# Altium PCB MB1272C_PMIC.PcbDoc (part 1 of 10) (continued)
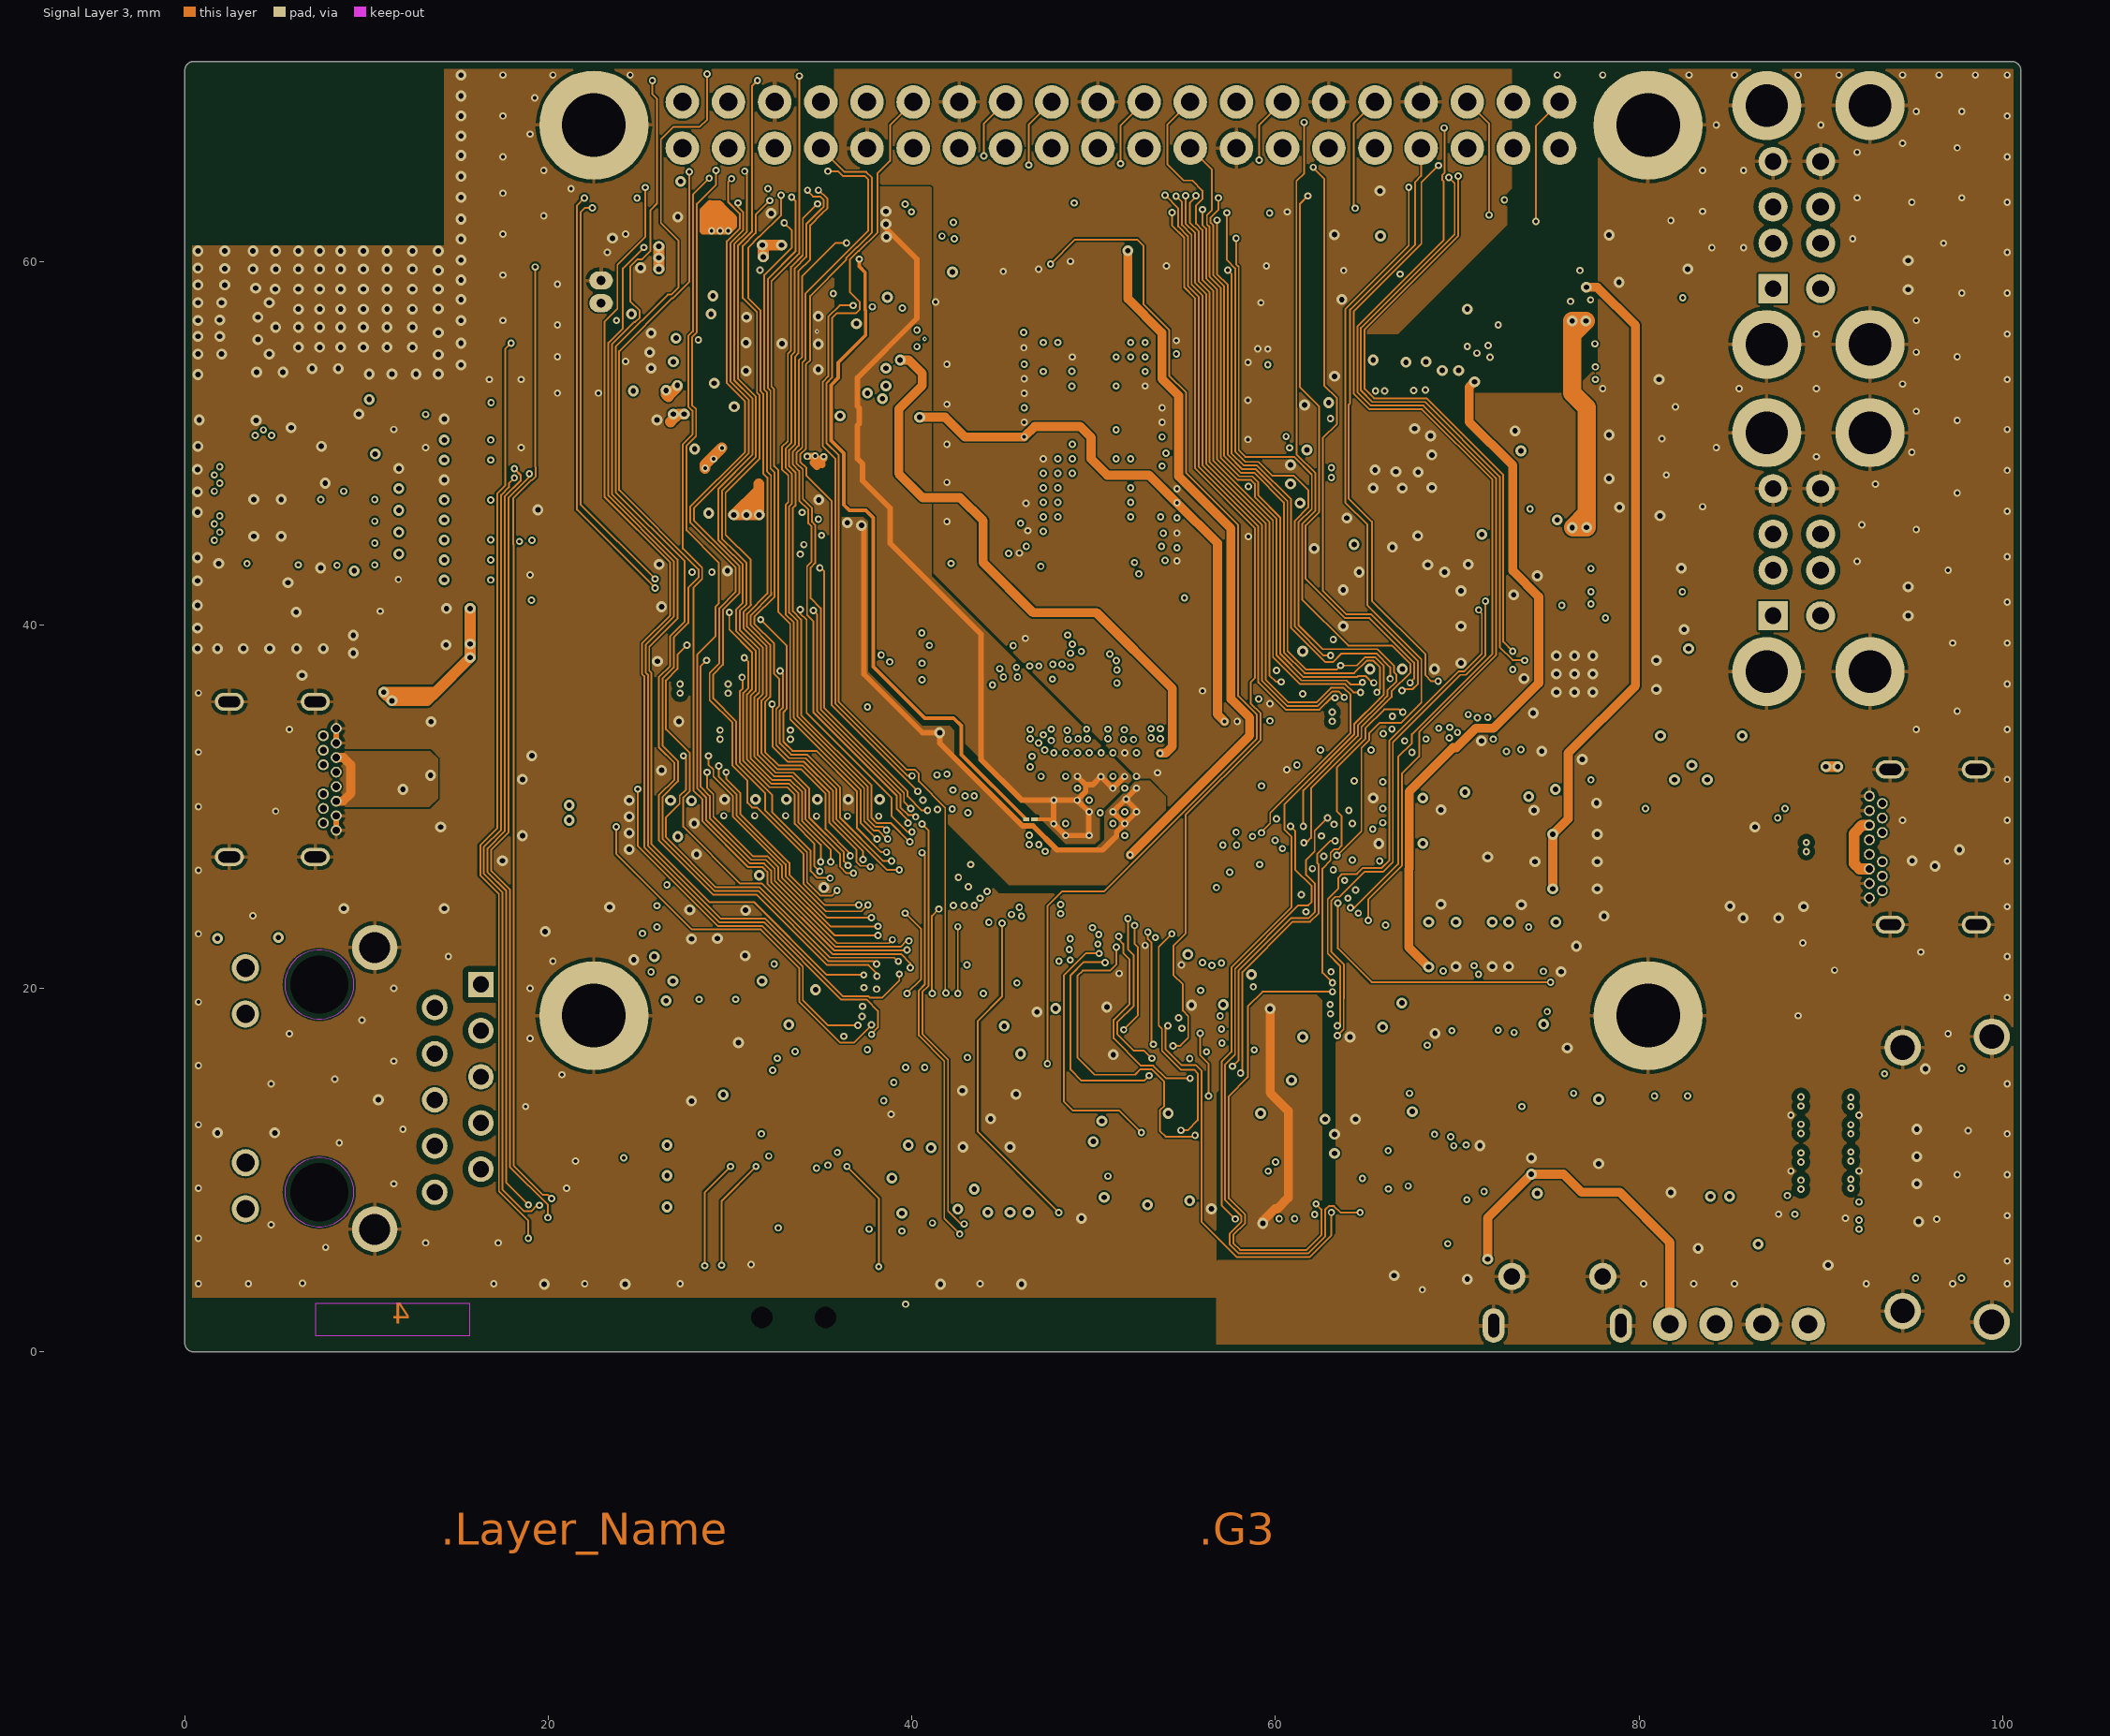
[diagram p4: Signal Layer 3]
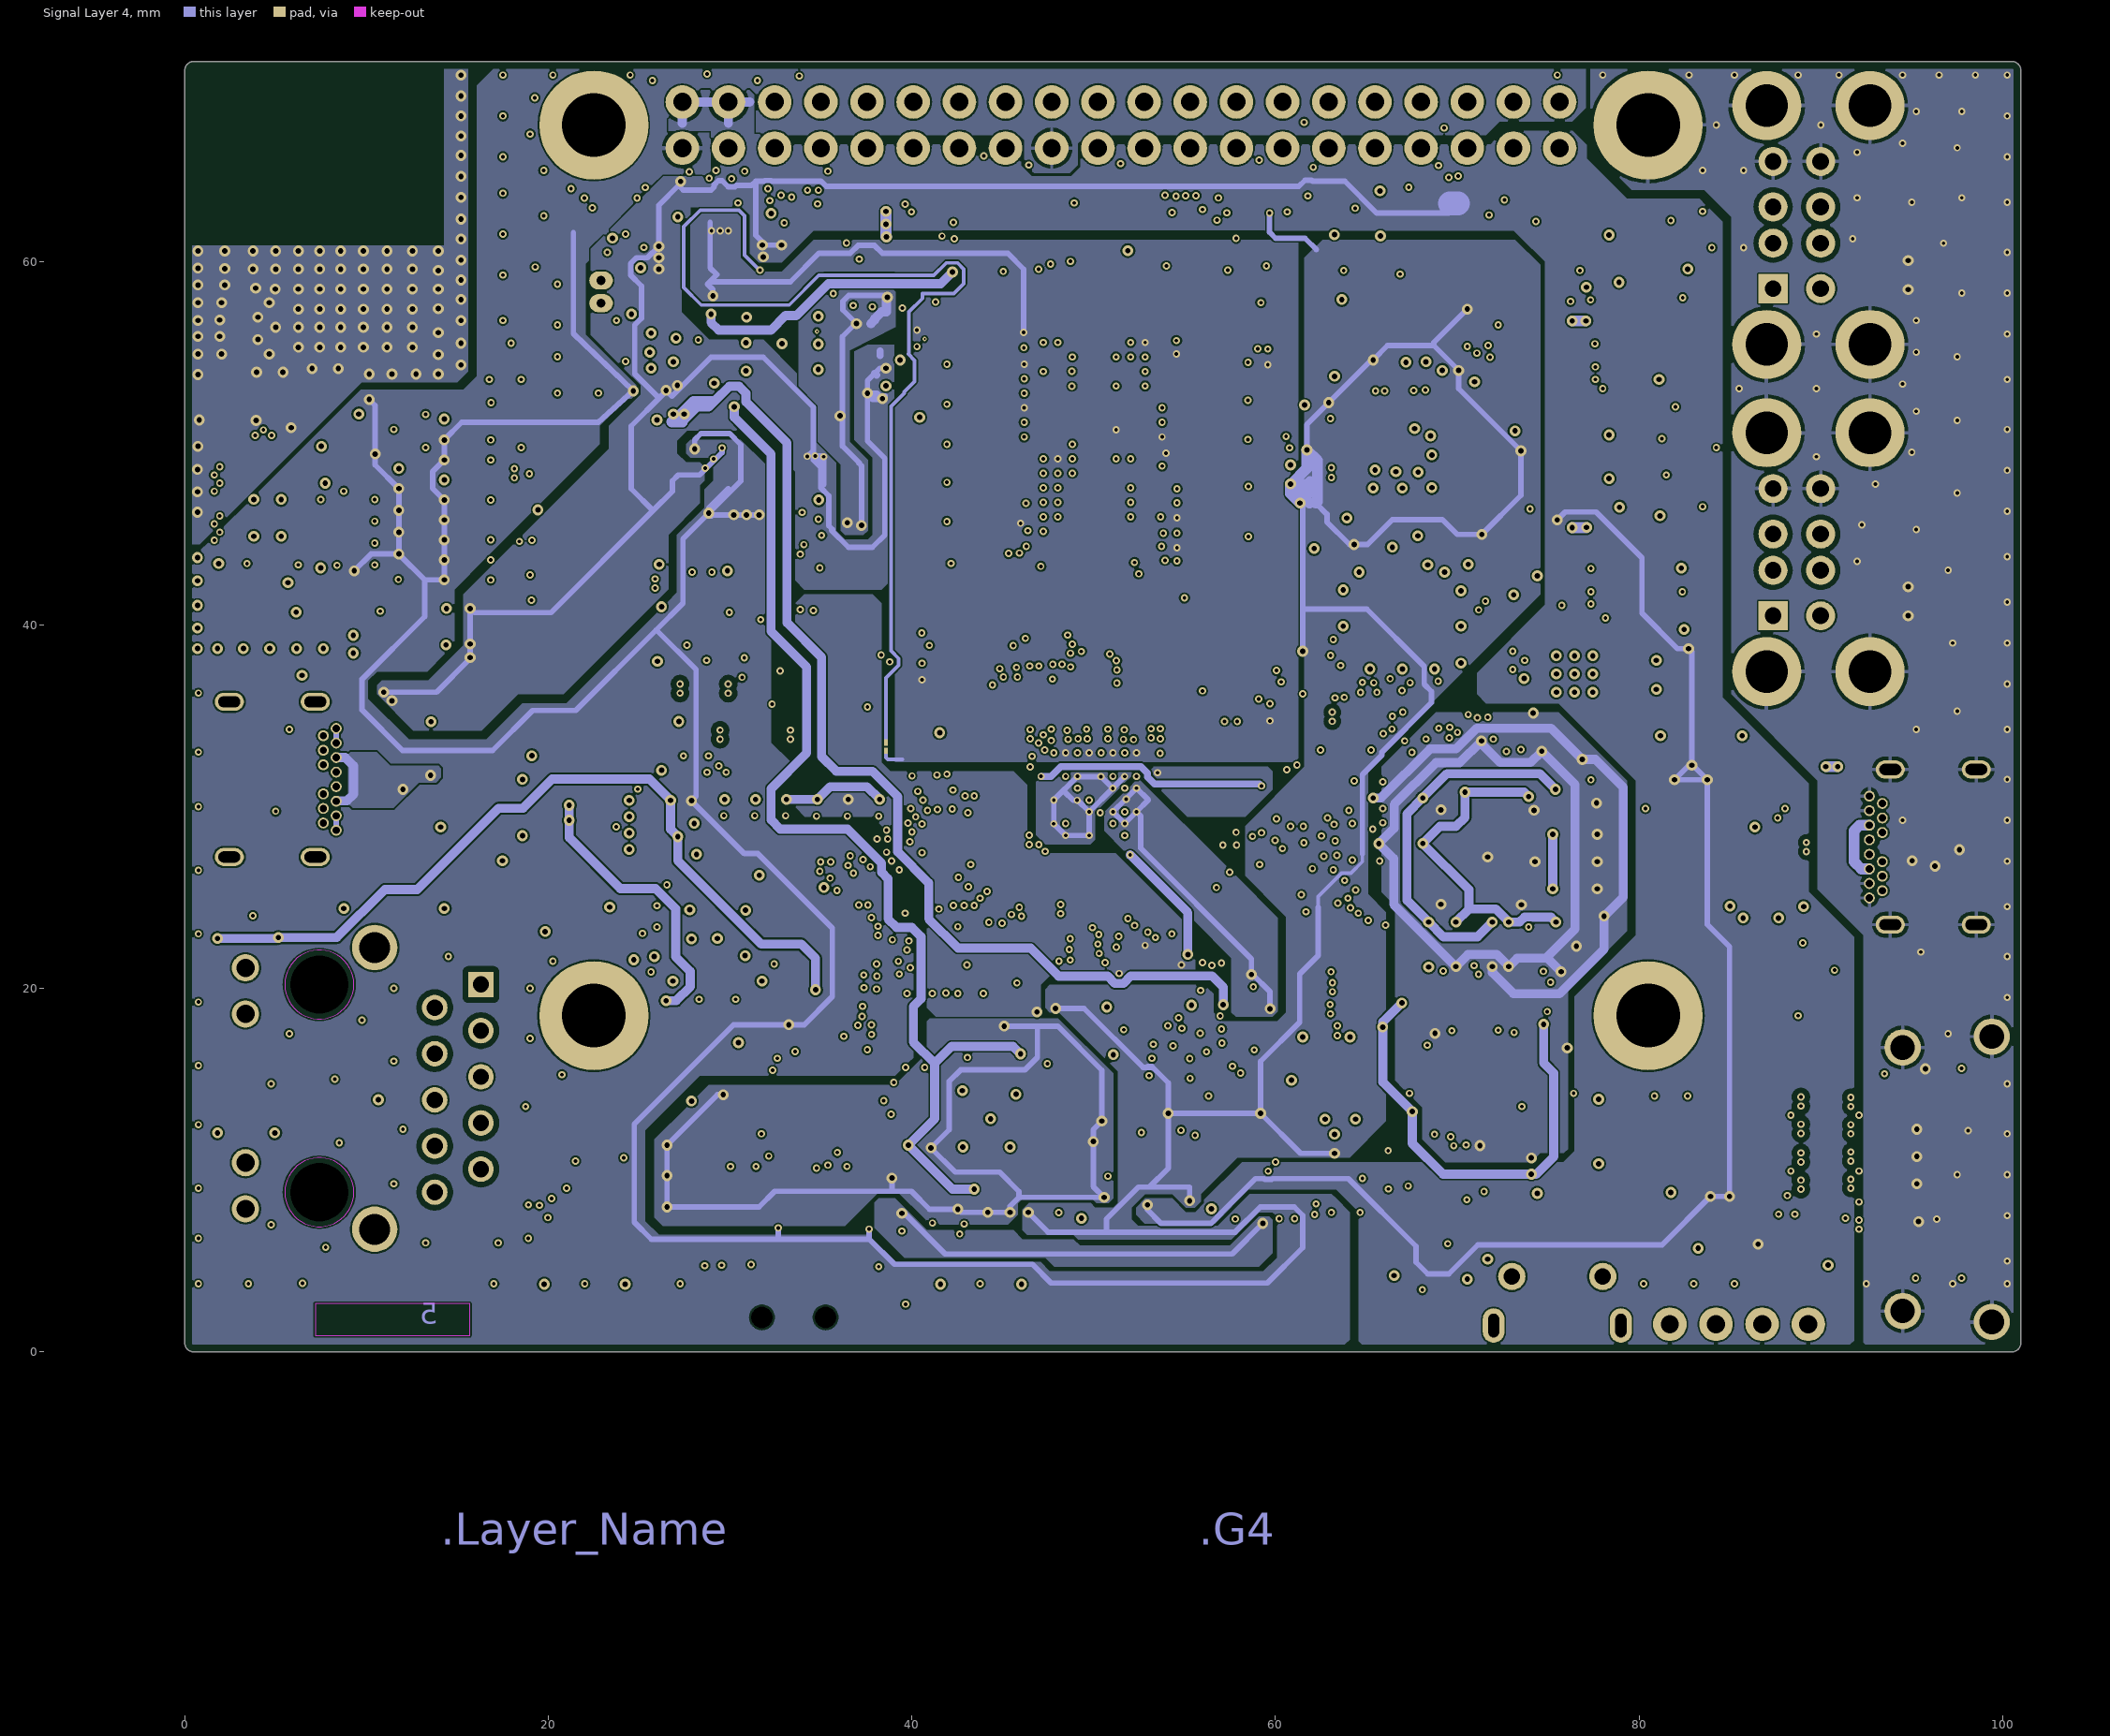
[diagram p5: Signal Layer 4]

## Layer stack, top to bottom
Top Solder: solder mask 0.0203, Solder Resist, Dk 3.5
Top Layer: signal copper 0.035
Dielectric 1: prepreg 0.0986, IT-180A 3313H, Dk 4.2
Signal Layer 1: signal copper 0.035
Dielectric 2: core 0.13, IT-180A, Dk 4.2
Signal Layer 2: signal copper 0.035
Dielectric 3: core 0.885, IT-180A 1080*2, Dk 4.25
Signal Layer 3: signal copper 0.035
Dielectric 4: core 0.13, IT-180A, Dk 4.2
Signal Layer 4: signal copper 0.035
Dielectric 5: prepreg 0.0986, IT-180A 3313H, Dk 4.2
Bottom Layer: signal copper 0.035
Bottom Solder: solder mask 0.0203, Solder Resist, Dk 3.5

## Board outline
0,0.5 ccw(c0.5,0.5) 0.5,0 100.5,0 ccw(c100.5,0.5) 101,0.5 101,70.5 ccw(c100.5,70.5) 100.5,71 0.5,71 ccw(c0.5,70.5) 0,70.5

## Design rules (kind name [scope] priority, off if disabled: settings)
BoardOutlineClearance [All] p1: gap=0.4 ignorepadtopadclearanceinfootprint=FALSE
Clearance Clearance_BGA05 [InComponentClass('CC_BGA05')] p1: gap=0.1 ignorepadtopadclearanceinfootprint=TRUE except(0.09: Arc-Track Track-SMDPad; 0.15: Arc-Fill Track-Fill SMDPad-Fill THPad-Fill Via-Fill Fill-Fill; 0.2: Arc-THPad Track-THPad SMDPad-SMDPad SMDPad-THPad THPad-THPad)
Clearance Clearance_BUS_50R_RGMII_ETH_L1 [InNetClass('NC_BUS_50R_RGMII_ETH-ALL') vs OnLayer('Top Layer')] p2: gap=0.1 ignorepadtopadclearanceinfootprint=TRUE except(0.15: Arc-Fill Track-Fill SMDPad-Fill THPad-Fill Via-Fill Fill-Fill; 0.2: Arc-THPad Track-THPad SMDPad-SMDPad SMDPad-THPad THPad-THPad; 0.26: Track-Track; 0.39: Arc-Poly Track-Poly SMDPad-Poly THPad-Poly Via-Poly Fill-Poly Poly-Poly)
Clearance Clearance_BUS_50R_RGMII_ETH_L6 [InNetClass('NC_BUS_50R_RGMII_ETH-ALL') vs OnLayer('Bottom Layer')] p3: gap=0.1 ignorepadtopadclearanceinfootprint=TRUE except(0.15: Arc-Fill Track-Fill SMDPad-Fill THPad-Fill Via-Fill Fill-Fill; 0.2: Arc-THPad Track-THPad SMDPad-SMDPad SMDPad-THPad THPad-THPad; 0.26: Track-Track; 0.39: Arc-Poly Track-Poly SMDPad-Poly THPad-Poly Via-Poly Fill-Poly Poly-Poly)
Clearance Clearance_BUS_50R_RGMII_ETH_L3 [InNetClass('NC_BUS_50R_RGMII_ETH-ALL') vs OnLayer('Signal Layer 2')] p4: gap=0.1 ignorepadtopadclearanceinfootprint=TRUE except(0.15: Arc-Fill Track-Fill SMDPad-Fill THPad-Fill Via-Fill Fill-Fill; 0.2: Arc-THPad Track-THPad SMDPad-SMDPad SMDPad-THPad THPad-THPad; 0.26: Track-Track; 0.5: Arc-Poly Track-Poly SMDPad-Poly THPad-Poly Via-Poly Fill-Poly Poly-Poly)
Clearance Clearance_DIFFPAIR_100R_DSI [InNetClass('NC_DIFFPAIR_100R_DSI')] p5: gap=0.1 ignorepadtopadclearanceinfootprint=TRUE except(0.15: Arc-Fill Track-Fill SMDPad-Fill THPad-Fill Via-Fill Fill-Fill; 0.2: Arc-THPad Track-THPad SMDPad-SMDPad SMDPad-THPad THPad-THPad; 0.3: Arc-Poly Track-Poly SMDPad-Poly THPad-Poly Via-Poly Fill-Poly Poly-Poly)
Clearance Clearance_DIFFPAIR_100R_RGMII-RJ45 [InNetClass('NC_DIFFPAIR_100R_RGMII-RJ45')] p6: gap=0.1 ignorepadtopadclearanceinfootprint=TRUE except(0.15: Arc-Fill Track-Fill SMDPad-Fill THPad-Fill Via-Fill Fill-Fill; 0.2: Arc-THPad Track-THPad SMDPad-SMDPad SMDPad-THPad THPad-THPad; 0.3: Arc-Poly Track-Poly SMDPad-Poly THPad-Poly Via-Poly Fill-Poly Poly-Poly)
Clearance Clearance_DIFFPAIR_100R_HDMI-TX [InNetClass('NC_DIFFPAIR_100R_HDMI-TX')] p7: gap=0.1 ignorepadtopadclearanceinfootprint=TRUE except(0.15: Arc-Fill Track-Fill SMDPad-Fill THPad-Fill Via-Fill Fill-Fill; 0.2: Arc-THPad Track-THPad SMDPad-SMDPad SMDPad-THPad THPad-THPad; 0.3: Arc-Poly Track-Poly SMDPad-Poly THPad-Poly Via-Poly Fill-Poly Poly-Poly)
Clearance Clearance_DIFFPAIR_90R_USB [InNetClass('NC_DIFFPAIR_90R_USB')] p8: gap=0.1 ignorepadtopadclearanceinfootprint=TRUE except(0.09: Track-Track; 0.15: Arc-Fill Track-Fill SMDPad-Fill THPad-Fill Via-Fill Fill-Fill; 0.2: Arc-THPad Track-THPad SMDPad-SMDPad SMDPad-THPad THPad-THPad; 0.27: Arc-Poly Track-Poly SMDPad-Poly THPad-Poly Via-Poly Fill-Poly Poly-Poly)
Clearance Clearance_BUS_50R_SDMMC1 [InNetClass('NC_BUS_50R_SDMMC1') vs OnLayer('Bottom Layer')] p9: gap=0.1 ignorepadtopadclearanceinfootprint=TRUE except(0.15: Arc-Fill Track-Fill SMDPad-Fill THPad-Fill Via-Fill Fill-Fill; 0.2: Arc-THPad Track-THPad SMDPad-SMDPad SMDPad-THPad THPad-THPad; 0.26: Track-Track; 0.39: Arc-Poly Track-Poly SMDPad-Poly THPad-Poly Via-Poly Fill-Poly Poly-Poly)
Clearance Clearance_ANTENNA_50R_WIFI [InNetClass('NC_ANTENNA_50R_WIFI')] p10: gap=0.1 ignorepadtopadclearanceinfootprint=TRUE except(0.15: Arc-Fill Track-Fill SMDPad-Fill THPad-Fill Via-Fill Fill-Fill; 0.2: Arc-THPad Track-Track Track-SMDPad Track-THPad SMDPad-SMDPad SMDPad-THPad THPad-THPad; 0.39: Arc-Poly Track-Poly SMDPad-Poly THPad-Poly Via-Poly Fill-Poly Poly-Poly)
Clearance Clearance_BUS_50R_SDMMC1_CK [InNetClass('NC_BUS_50R_SDMMC1_CK') vs OnLayer('Signal Layer 2')] p11: gap=0.1 ignorepadtopadclearanceinfootprint=TRUE except(0.15: Arc-Fill Track-Fill SMDPad-Fill THPad-Fill Via-Fill Fill-Fill; 0.2: Arc-THPad Track-THPad SMDPad-SMDPad SMDPad-THPad THPad-THPad; 0.26: Track-Track; 0.75: Arc-Poly Track-Poly SMDPad-Poly THPad-Poly Via-Poly Fill-Poly Poly-Poly)
Clearance [All] p12: gap=0.1 ignorepadtopadclearanceinfootprint=TRUE except(0.15: Arc-Fill Track-Fill SMDPad-Fill THPad-Fill Via-Fill Fill-Fill; 0.2: Arc-THPad Track-THPad SMDPad-SMDPad SMDPad-THPad THPad-THPad)
ComponentClearance [All] p1 off: gap=0.025 collisioncheckmode=3 verticalgap=2540 showdistances=TRUE
DiffPairsRouting DiffPairsRouting_90R_USB [InDifferentialPairClass('DIFFPAIR_90R_USB')] p1: maxlimit=0.09 minlimit=0.09 mostfreqgap=0.09 toplayer_minwidth=0.09 toplayer_maxwidth=0.1 toplayer_prefwidth=0.1 midlayer1_minwidth=0.09 midlayer1_maxwidth=0.1 midlayer1_prefwidth=0.1 midlayer2_minwidth=0.09 midlayer2_maxwidth=0.1 midlayer2_prefwidth=0.1 midlayer3_minwidth=0.09 midlayer3_maxwidth=0.1 midlayer3_prefwidth=0.1 midlayer4_minwidth=0.09 midlayer4_maxwidth=0.1 midlayer4_prefwidth=0.1 bottomlayer_minwidth=0.09 bottomlayer_maxwidth=0.1 bottomlayer_prefwidth=0.1 maxuncoupledlength=12.7
DiffPairsRouting DiffPairsRouting_100R_DDR [InDifferentialPairClass('DIFFPAIR_100R_DDR')] p2: maxlimit=0.14 minlimit=0.13 mostfreqgap=0.14 toplayer_maxgap=0.13 toplayer_prefgap=0.13 toplayer_minwidth=0.09 toplayer_maxwidth=0.1 toplayer_prefwidth=0.1 midlayer1_maxgap=0.13 midlayer1_prefgap=0.13 midlayer1_minwidth=0.09 midlayer1_maxwidth=0.1 midlayer1_prefwidth=0.1 midlayer2_mingap=0.14 midlayer2_minwidth=0.09 midlayer2_maxwidth=0.09 midlayer2_prefwidth=0.09 midlayer3_maxgap=0.13 midlayer3_prefgap=0.13 midlayer3_minwidth=0.09 midlayer3_maxwidth=0.1 midlayer3_prefwidth=0.1 midlayer4_maxgap=0.13 midlayer4_prefgap=0.13 midlayer4_minwidth=0.09 midlayer4_maxwidth=0.1 midlayer4_prefwidth=0.1 bottomlayer_maxgap=0.13 bottomlayer_prefgap=0.13 bottomlayer_minwidth=0.09 bottomlayer_maxwidth=0.1 bottomlayer_prefwidth=0.1 maxuncoupledlength=12.7
DiffPairsRouting DiffPairsRouting_100R_HDMI-TX [InDifferentialPairClass('DIFFPAIR_100R_HDMI-TX')] p3: maxlimit=0.13 minlimit=0.13 mostfreqgap=0.13 toplayer_minwidth=0.09 toplayer_maxwidth=0.1 toplayer_prefwidth=0.1 midlayer1_minwidth=0.09 midlayer1_maxwidth=0.1 midlayer1_prefwidth=0.1 midlayer2_minwidth=0.09 midlayer2_maxwidth=0.1 midlayer2_prefwidth=0.1 midlayer3_minwidth=0.09 midlayer3_maxwidth=0.1 midlayer3_prefwidth=0.1 midlayer4_minwidth=0.09 midlayer4_maxwidth=0.1 midlayer4_prefwidth=0.1 bottomlayer_minwidth=0.09 bottomlayer_maxwidth=0.1 bottomlayer_prefwidth=0.1 maxuncoupledlength=12.7
DiffPairsRouting DiffPairsRouting_100R_DSI [InDifferentialPairClass('DIFFPAIR_100R_DSI')] p4: maxlimit=0.13 minlimit=0.13 mostfreqgap=0.13 toplayer_minwidth=0.09 toplayer_maxwidth=0.1 toplayer_prefwidth=0.1 midlayer1_minwidth=0.09 midlayer1_maxwidth=0.1 midlayer1_prefwidth=0.1 midlayer2_minwidth=0.09 midlayer2_maxwidth=0.1 midlayer2_prefwidth=0.1 midlayer3_minwidth=0.09 midlayer3_maxwidth=0.1 midlayer3_prefwidth=0.1 midlayer4_minwidth=0.09 midlayer4_maxwidth=0.1 midlayer4_prefwidth=0.1 bottomlayer_minwidth=0.09 bottomlayer_maxwidth=0.1 bottomlayer_prefwidth=0.1 maxuncoupledlength=12.7
DiffPairsRouting DiffPairsRouting_100R_RGMII-RJ45 [InDifferentialPairClass('DIFFPAIR_100R_RGMII-RJ45')] p5: maxlimit=0.13 minlimit=0.13 mostfreqgap=0.13 toplayer_minwidth=0.09 toplayer_maxwidth=0.1 toplayer_prefwidth=0.1 midlayer1_minwidth=0.09 midlayer1_maxwidth=0.1 midlayer1_prefwidth=0.1 midlayer2_minwidth=0.09 midlayer2_maxwidth=0.1 midlayer2_prefwidth=0.1 midlayer3_minwidth=0.09 midlayer3_maxwidth=0.1 midlayer3_prefwidth=0.1 midlayer4_minwidth=0.09 midlayer4_maxwidth=0.1 midlayer4_prefwidth=0.1 bottomlayer_minwidth=0.09 bottomlayer_maxwidth=0.1 bottomlayer_prefwidth=0.1 maxuncoupledlength=12.7
FanoutControl Fanout_BGA [IsBGA] p1: bgadir=Out bgaviamode=Closest fanoutstyle=Auto fanoutdirection=Alternating viagrid=0.025 // Fanout_BGA (Default Rule)
FanoutControl Fanout_LCC [IsLCC] p2: bgadir=Out bgaviamode=Closest fanoutstyle=Auto fanoutdirection=Alternating viagrid=0.025 // Fanout_LCC (Default Rule)
FanoutControl Fanout_SOIC [IsSOIC] p3: bgadir=Out bgaviamode=Closest fanoutstyle=Auto fanoutdirection=Alternating viagrid=0.025 // Fanout_SOIC (Default Rule)
FanoutControl Fanout_Small [(CompPinCount < 5)] p4: bgadir=Out bgaviamode=Closest fanoutstyle=Auto fanoutdirection=OutThenIn viagrid=0.025 // Fanout_Small (Default Rule)
FanoutControl Fanout_Default [All] p5: bgadir=Out bgaviamode=Closest fanoutstyle=Auto fanoutdirection=Alternating viagrid=0.025 // Fanout_Default (Default Rule)
Height [All] p1 off: minheight=0 maxheight=100 prefheight=0.5
HoleSize [All] p1: absolutevalues=TRUE maxlimit=10 minlimit=0.15 maxpercent=80.000 minpercent=20.000
HoleToHoleClearance [All] p1: gap=0.25 allowstackedmicrovias=TRUE
Length Length_BUS_50R_SDMMC1_ALL [InNetClass('NC_BUS_50R_SDMMC1_ALL')] p1: maxlimit=100 minlimit=0
MatchedLengths MatchedLengths_BUS_50R_RGMII_ETH-ALL [InNetClass('NC_BUS_50R_RGMII_ETH-ALL')] p1: tolerance=10 checknetsindiffpair=FALSE checkdiffpairvsdiffpair=TRUE checkxsignals=TRUE checkothers=TRUE
MatchedLengths MatchedLengths_BUS_50R_SDMMC1_ALL [InNetClass('NC_BUS_50R_SDMMC1_ALL')] p2: tolerance=5 checknetsindiffpair=FALSE checkdiffpairvsdiffpair=TRUE checkxsignals=TRUE checkothers=TRUE
MatchedLengths MatchedLengths_DIFFPAIR_100R_DSI [InDifferentialPairClass('DIFFPAIR_100R_DSI')] p3: tolerance=5 checknetsindiffpair=FALSE checkdiffpairvsdiffpair=TRUE checkxsignals=TRUE checkothers=TRUE
MatchedLengths MatchedLengths_DIFFPAIR_100R_HDMI-TX_1-2 [InDifferentialPairClass('DIFFPAIR_100R_HDMI-TX_LENGTH_1-2')] p4: tolerance=4 checknetsindiffpair=FALSE checkdiffpairvsdiffpair=TRUE checkxsignals=TRUE checkothers=TRUE
MatchedLengths MatchedLengths_DIFFPAIR_100R_HDMI-TX_2-2 [InDifferentialPairClass('DIFFPAIR_100R_HDMI-TX_LENGTH_2-2')] p5: tolerance=4 checknetsindiffpair=FALSE checkdiffpairvsdiffpair=TRUE checkxsignals=TRUE checkothers=TRUE
MatchedLengths MatchedLengths_DIFFPAIR_90R_USB [InDifferentialPairClass('DIFFPAIR_90R_USB_LENGTH')] p6: tolerance=5 checknetsindiffpair=FALSE checkdiffpairvsdiffpair=TRUE checkxsignals=TRUE checkothers=TRUE
MinimumSolderMaskSliver [All] p1: minsoldermaskwidth=0
PlaneClearance [All] p1: clearance=0.6
PolygonConnect PolygonConnect_13 [All vs IsNamedPolygon('NETC66_2_L01_P093')] p1: connectstyle=Direct reliefconductorwidth=0.254 reliefentries=4 polygonreliefangle="90 Angle" airgapwidth=0.254
PolygonConnect PolygonConnect_12 [All vs IsNamedPolygon('NETC69_2_L01_P091')] p2: connectstyle=Direct reliefconductorwidth=0.254 reliefentries=4 polygonreliefangle="90 Angle" airgapwidth=0.254
PolygonConnect PolygonConnect_11 [All vs IsNamedPolygon('NETC71_2_L01_P088')] p3: connectstyle=Direct reliefconductorwidth=0.254 reliefentries=4 polygonreliefangle="90 Angle" airgapwidth=0.254
PolygonConnect PolygonConnect_10 [All vs IsNamedPolygon('5V_VIN_L01_P096')] p4: connectstyle=Direct reliefconductorwidth=0.254 reliefentries=4 polygonreliefangle="90 Angle" airgapwidth=0.254
PolygonConnect PolygonConnect_9 [All vs IsNamedPolygon('NETC195_2_L01_P093')] p5: connectstyle=Direct reliefconductorwidth=0.254 reliefentries=4 polygonreliefangle="90 Angle" airgapwidth=0.254
PolygonConnect PolygonConnect_8 [All vs IsNamedPolygon('5V_VIN_L01_P095')] p6: connectstyle=Direct reliefconductorwidth=0.254 reliefentries=4 polygonreliefangle="90 Angle" airgapwidth=0.254
PolygonConnect PolygonConnect_7 [All vs IsNamedPolygon('5V_VIN_L01_P020')] p7: connectstyle=Direct reliefconductorwidth=0.254 reliefentries=4 polygonreliefangle="90 Angle" airgapwidth=0.254
PolygonConnect PolygonConnect_6 [All vs IsNamedPolygon('NETC42_2_L01_P091')] p8: connectstyle=Direct reliefconductorwidth=0.254 reliefentries=4 polygonreliefangle="90 Angle" airgapwidth=0.254
PolygonConnect PolygonConnect_5 [All vs IsNamedPolygon('NETC44_2_L01_P088')] p9: connectstyle=Direct reliefconductorwidth=0.254 reliefentries=4 polygonreliefangle="90 Angle" airgapwidth=0.254
PolygonConnect PolygonConnect_4 [All vs IsNamedPolygon('NETC42_2_L01_P014')] p10: connectstyle=Direct reliefconductorwidth=0.254 reliefentries=4 polygonreliefangle="90 Angle" airgapwidth=0.254
PolygonConnect PolygonConnect_3 [All vs IsNamedPolygon('NETC42_2_L01_P078')] p11: connectstyle=Direct reliefconductorwidth=0.254 reliefentries=4 polygonreliefangle="90 Angle" airgapwidth=0.254
PolygonConnect PolygonConnect_2 [All vs IsNamedPolygon('GND_L01_P014')] p12: thpad.connectstyle=Relief thpad.reliefconductorwidth=0.3 thpad.reliefentries=4 thpad.polygonreliefangle="90 Angle" thpad.airgapwidth=0.2 smdpad.connectstyle=Relief smdpad.reliefconductorwidth=0.3 smdpad.reliefentries=4 smdpad.polygonreliefangle="90 Angle" smdpad.airgapwidth=0.2 via.connectstyle=Direct via.reliefconductorwidth=0.254 via.reliefentries=4 via.polygonreliefangle="90 Angle" via.airgapwidth=0.254
PolygonConnect PolygonConnect_1 [InNet('VTT_DDR')] p13: connectstyle=Direct reliefconductorwidth=0.254 reliefentries=4 polygonreliefangle="90 Angle" airgapwidth=0.254
PolygonConnect [All] p14: thpad.connectstyle=Relief thpad.reliefconductorwidth=0.2 thpad.reliefentries=4 thpad.polygonreliefangle="90 Angle" thpad.airgapwidth=0.2 smdpad.connectstyle=NoConnect smdpad.reliefconductorwidth=0.254 smdpad.reliefentries=4 smdpad.polygonreliefangle="90 Angle" smdpad.airgapwidth=0.2 via.connectstyle=Direct via.reliefconductorwidth=0.254 via.reliefentries=4 via.polygonreliefangle="90 Angle" via.airgapwidth=0.254
RoutingLayers RoutingLayers_BUS_50R_RGMII_ETH-ALL [InNetClass('NC_BUS_50R_RGMII_ETH-ALL')] p1: top layer_v5=TRUE mid layer 1_v5=TRUE mid layer 2_v5=TRUE mid layer 3_v5=TRUE mid layer 4_v5=TRUE bottom layer_v5=TRUE
RoutingLayers RoutingLayers_BUS_50R_SDMMC1_CK [InNetClass('NC_BUS_50R_SDMMC1_CK')] p2: top layer_v5=TRUE mid layer 1_v5=TRUE mid layer 2_v5=TRUE mid layer 3_v5=TRUE mid layer 4_v5=TRUE bottom layer_v5=TRUE
RoutingLayers RoutingLayers_BUS_50R_SDMMC1 [InNetClass('NC_BUS_50R_SDMMC1')] p3: top layer_v5=TRUE mid layer 1_v5=TRUE mid layer 2_v5=TRUE mid layer 3_v5=TRUE mid layer 4_v5=TRUE bottom layer_v5=TRUE
RoutingLayers RoutingLayers_ANTENNA_50R_WIFI [InNetClass('NC_ANTENNA_50R_WIFI')] p4: top layer_v5=TRUE mid layer 1_v5=TRUE mid layer 2_v5=TRUE mid layer 3_v5=TRUE mid layer 4_v5=TRUE bottom layer_v5=TRUE
RoutingLayers RoutingLayers_SINGLE_55R_DDR [InNetClass('NC_SINGLE_55R_DDR')] p5: top layer_v5=TRUE mid layer 1_v5=TRUE mid layer 2_v5=TRUE mid layer 3_v5=TRUE mid layer 4_v5=TRUE bottom layer_v5=TRUE
RoutingLayers RoutingLayers_DIFFPAIR_100R_DDR [InDifferentialPairClass('DIFFPAIR_100R_DDR')] p6: top layer_v5=TRUE mid layer 1_v5=TRUE mid layer 2_v5=TRUE mid layer 3_v5=TRUE mid layer 4_v5=TRUE bottom layer_v5=TRUE
RoutingLayers RoutingLayers_DIFFPAIR_100R_DSI [InDifferentialPairClass('DIFFPAIR_100R_DSI')] p7: top layer_v5=TRUE mid layer 1_v5=TRUE mid layer 2_v5=TRUE mid layer 3_v5=TRUE mid layer 4_v5=TRUE bottom layer_v5=TRUE
RoutingLayers RoutingLayers_DIFFPAIR_100R_RGMII-RJ45 [InDifferentialPairClass('DIFFPAIR_100R_RGMII-RJ45')] p8: top layer_v5=TRUE mid layer 1_v5=TRUE mid layer 2_v5=TRUE mid layer 3_v5=TRUE mid layer 4_v5=TRUE bottom layer_v5=TRUE
RoutingLayers RoutingLayers_DIFFPAIR_100R_HDMI-TX [InDifferentialPairClass('DIFFPAIR_100R_HDMI-TX')] p9: top layer_v5=TRUE mid layer 1_v5=TRUE mid layer 2_v5=TRUE mid layer 3_v5=TRUE mid layer 4_v5=TRUE bottom layer_v5=TRUE
RoutingLayers RoutingLayers_DIFFPAIR_90R_USB [InDifferentialPairClass('DIFFPAIR_90R_USB')] p10: top layer_v5=TRUE mid layer 1_v5=TRUE mid layer 2_v5=TRUE mid layer 3_v5=TRUE mid layer 4_v5=TRUE bottom layer_v5=TRUE
RoutingLayers [All] p11: top layer_v5=TRUE mid layer 1_v5=TRUE mid layer 2_v5=TRUE mid layer 3_v5=TRUE mid layer 4_v5=TRUE bottom layer_v5=TRUE
RoutingVias RoutingVias_Laser_L1-2 [InDrillLayerPair('Top Layer - Signal Layer 1')] p1: holewidth=0.1 width=0.25 viastyle="Through Hole" minholewidth=0.1 minwidth=0.25 maxholewidth=0.1 maxwidth=0.25
RoutingVias RoutingVias_GND [InNetClass('NC_GND')] p2: holewidth=0.3 width=0.6 viastyle="Through Hole" minholewidth=0.2 minwidth=0.4 maxholewidth=0.3 maxwidth=0.6
RoutingVias RoutingVias_ALIMS [InNetClass('NC_ALIMS')] p3: holewidth=0.3 width=0.6 viastyle="Through Hole" minholewidth=0.2 minwidth=0.4 maxholewidth=0.3 maxwidth=0.6
RoutingVias [All] p4: holewidth=0.2 width=0.4 viastyle="Through Hole" minholewidth=0.2 minwidth=0.4 maxholewidth=0.2 maxwidth=0.4